# KiCad board panel.kicad_pcb (continued)
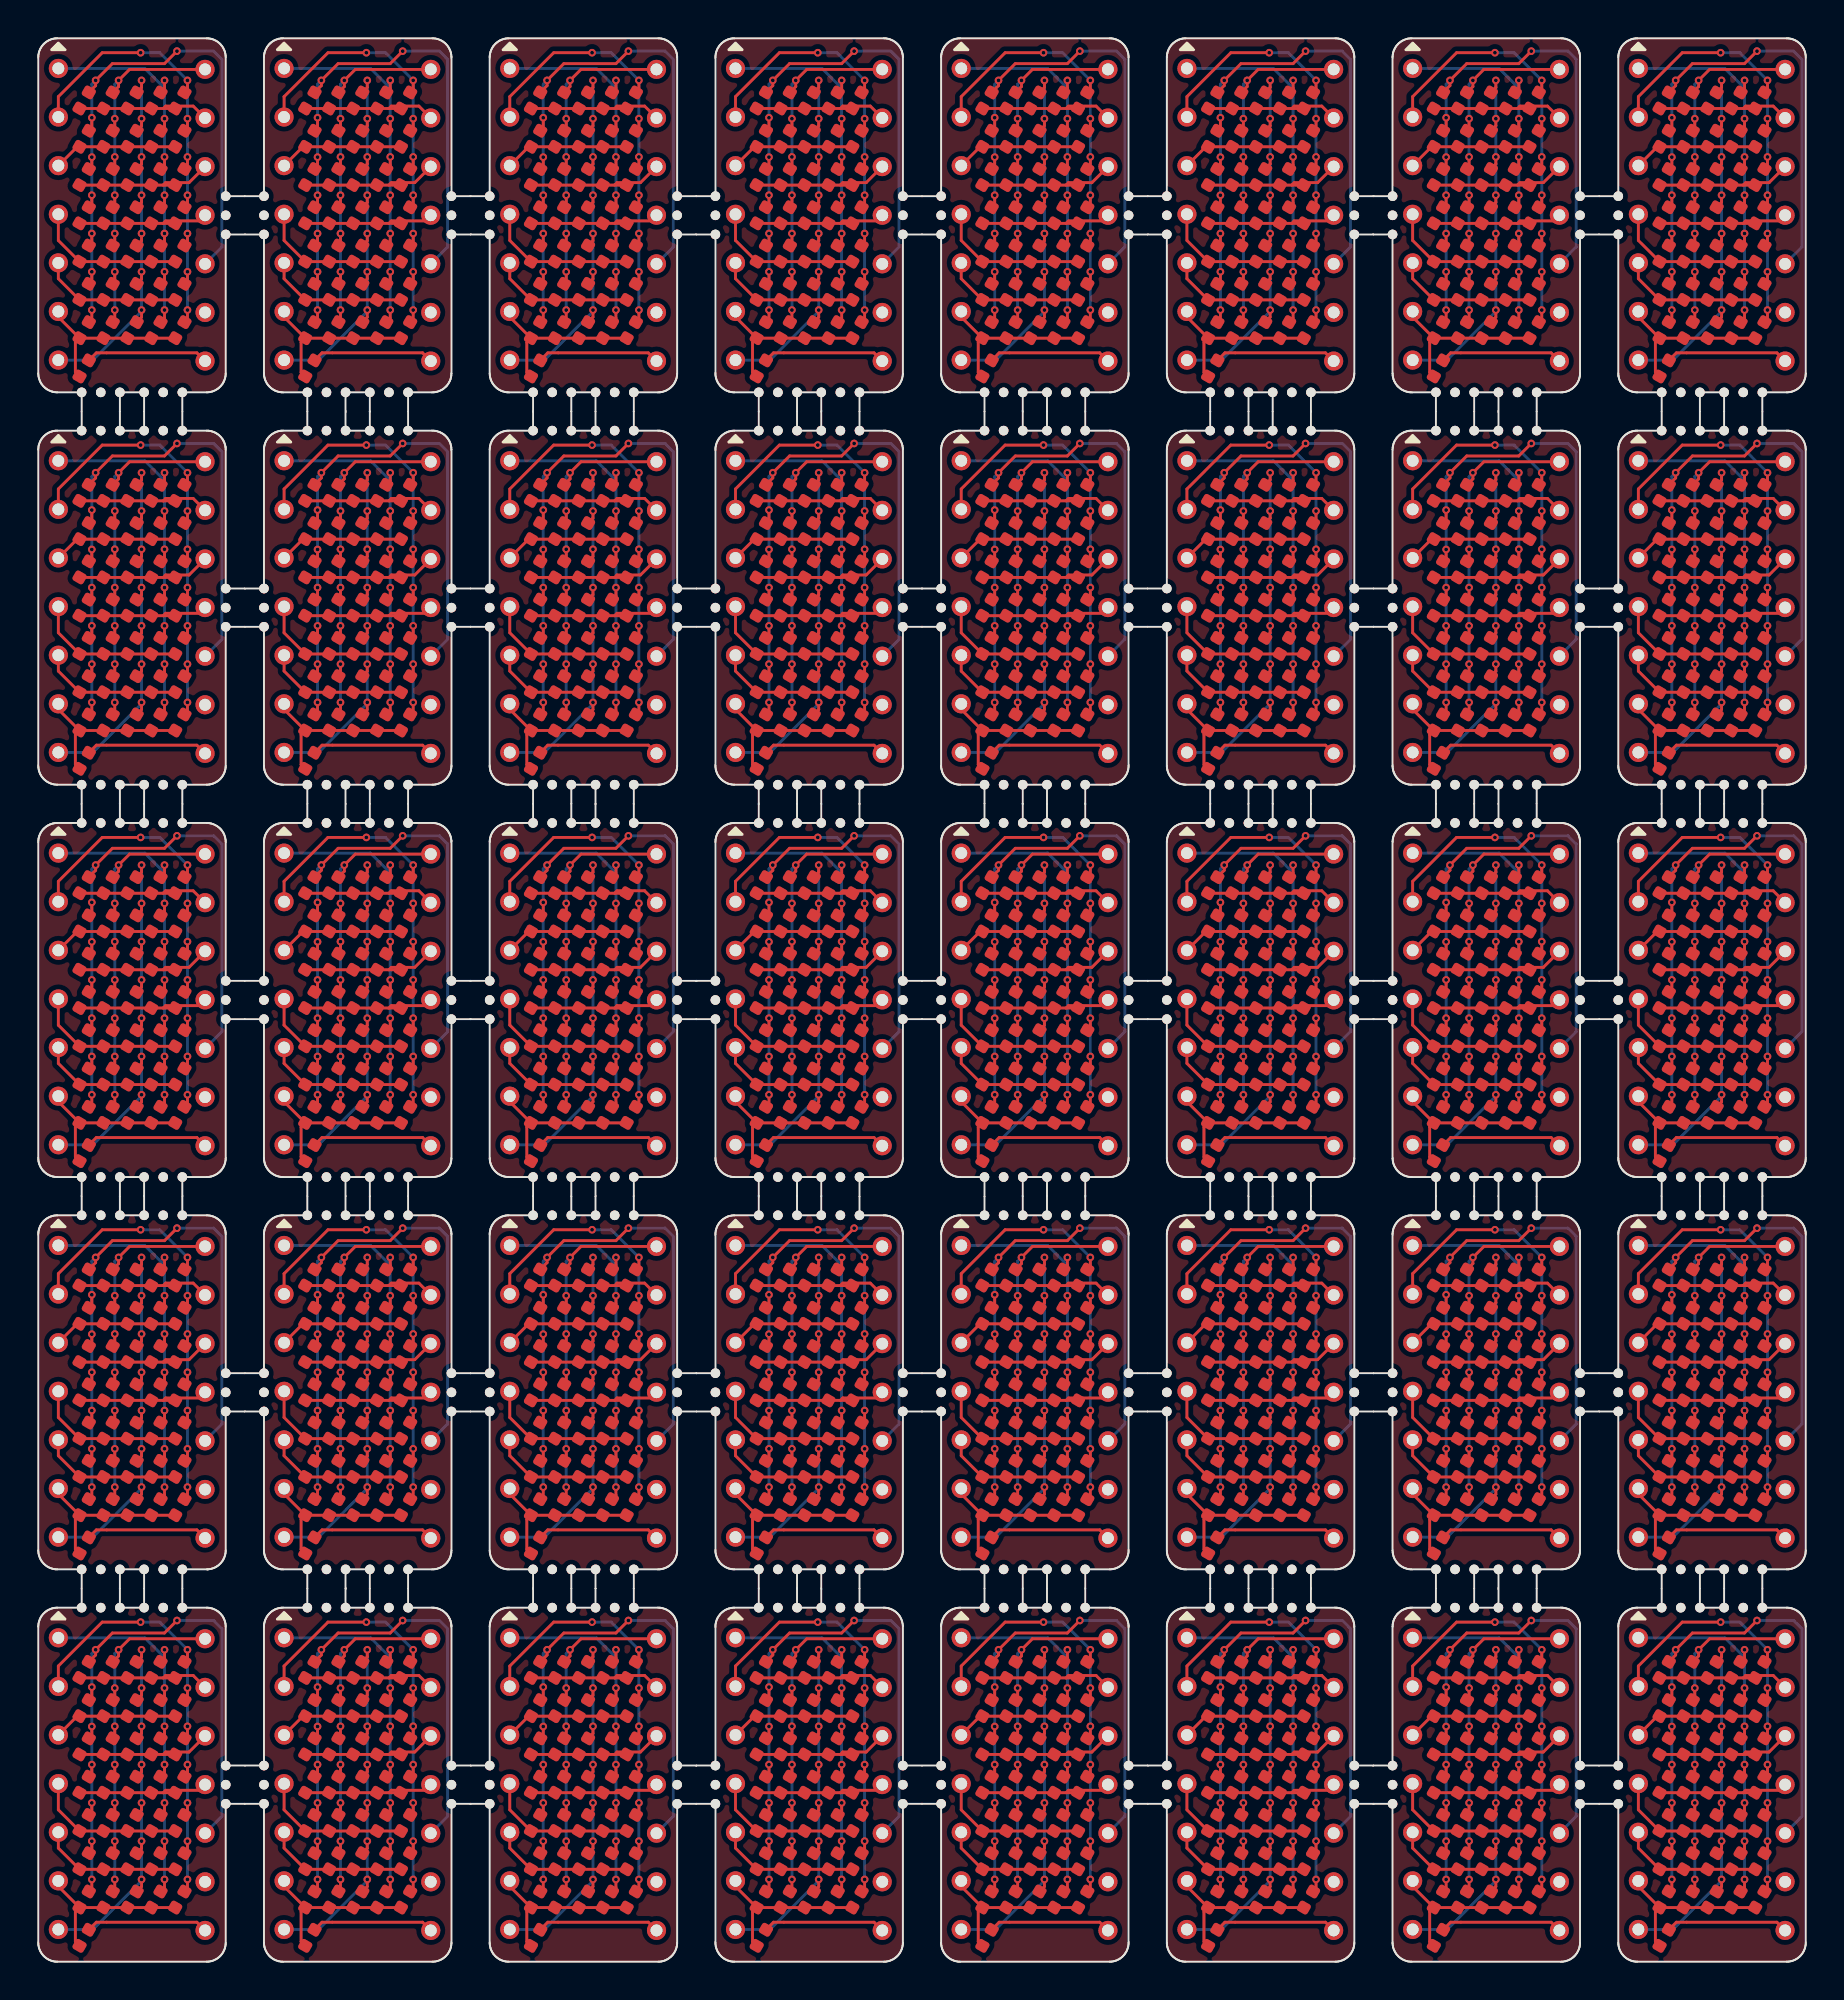
[diagram p0: board, top side]
## Routing (per net, layer and track width the routed paths; a pad name or vN(x,y) marks a point on that pad's centre or on a via; arc(x,y) is an arc through that point) (continued)
Board_8-R6: length 7.4
  Top w0.15: D35#30.1 D28#22.1 D21#2.1 D14#13.1 D6#14.1 1.05,67.44 J1#27.5
Board_8-R7: length 9
  Top w0.15: D8#31.1 1.94,62.55 1.94,64.11 D7#32.1 ; D36#23.1 D29#27.1 D22#12.1 D15#32.1 D7#32.1 ; D7#32.1 1.05,65.44 J1#27.6
Board_9-C1: length 35.5
  Top w0.15: D2#17.2 14.6,75.33 v1(14.6,75.85) ; v1(14.6,73.79) 14.6,73.33 D3#40.2 ; v1(14.6,67.8) 14.6,67.33 D6#6.2 ; D4#24.2 14.6,71.33 v1(14.6,71.8) ; v1(14.6,65.8) 14.6,65.33 D7#21.2 ; D5#2.2 14.6,69.33 v1(14.6,69.8) ; v1(19.05,79.33) 18.4,78.68 15.68,78.68 v1(14.8,77.8) 14.8,77.53 D1#32.2
  Bottom w0.15: J2#32.5 21.4,69.09 21.4,78.9 20.97,79.33 v1(19.05,79.33) ; v1(14.6,65.8) v1(14.6,67.8) v1(14.6,69.8) v1(14.6,71.8) v1(14.6,73.79) v1(14.6,75.85) 14.6,77.6 v1(14.8,77.8)
Board_9-C2: length 21.6
  Top w0.15: v1(15.8,69.8) 15.8,69.28 D13#17.2 ; v1(15.8,73.8) 15.8,73.28 D11#14.2 ; D9#33.2 16,77.48 v1(16,77.8) 16.57,78.37 20.52,78.37 J2#32.1 ; D10#7.2 15.8,75.28 v1(15.8,75.8) ; v1(15.8,71.8) 15.8,71.28 D12#22.2 ; D15#5.2 15.8,65.28 v1(15.8,65.8) ; v1(15.8,67.8) 15.8,67.28 D14#33.2
  Bottom w0.15: v1(16,77.8) 15.8,77.6 v1(15.8,75.8) v1(15.8,73.8) v1(15.8,71.8) v1(15.8,69.8) v1(15.8,67.8) v1(15.8,65.8)
Board_9-C3: length 22.6
  Top w0.15: D19#30.2 17.2,71.43 v1(17.2,71.8) ; D21#15.2 17.2,67.43 v1(17.2,67.8) ; v1(17.2,77.8) 17.2,77.43 D16#12.2 ; D17#19.2 17.2,75.43 v1(17.2,75.8) ; v1(17.2,73.8) 17.2,73.43 D18#4.2 ; D20#16.2 17.2,69.43 v1(17.2,69.8) ; D22#20.2 17.2,65.43 v1(17.2,65.8)
  Bottom w0.15: J1#5.7 14.65,63.19 17.2,65.73 v1(17.2,65.8) v1(17.2,67.8) v1(17.2,69.8) v1(17.2,71.8) v1(17.2,73.8) v1(17.2,75.8) v1(17.2,77.8)
Board_9-C4: length 23
  Top w0.15: v1(18.4,69.8) 18.4,69.38 D27#2.2 ; D24#17.2 18.4,75.38 v1(18.4,75.8) ; D29#12.2 18.4,65.38 v1(18.4,65.8) ; v1(18.4,77.8) 18.4,77.38 D23#7.2 ; v1(18.4,73.8) 18.4,73.38 D25#23.2 ; D26#4.2 18.4,71.38 v1(18.4,71.8) ; v1(18.4,67.8) 18.4,67.38 D28#11.2
  Bottom w0.15: v1(18.4,77.8) 18.4,77.39 ; 18.4,77.39 v1(18.4,75.8) v1(18.4,73.8) v1(18.4,71.8) v1(18.4,69.8) v1(18.4,67.8) v1(18.4,65.8) ; 18.4,77.39 17.37,78.42 J1#5.1
Board_9-C5: length 26.2
  Top w0.15: D31#5.2 19.6,75.33 v1(19.6,75.8) ; D34.2 19.6,69.33 v1(19.6,69.8) ; v1(19.6,71.8) 19.6,71.33 D33#31.2 ; D35#26.2 19.6,67.33 v1(19.6,67.8) ; D36#20.2 19.6,65.33 v1(19.6,65.8) ; D32#36.2 19.6,73.33 v1(19.6,73.8) ; v1(19.6,77.8) 19.6,77.33 D30#40.2 ; J1#5.2 12.85,76.95 15.14,79.25 v1(17.15,79.25)
  Bottom w0.15: v1(17.15,79.25) 18.16,79.25 v1(19.6,77.8) v1(19.6,75.8) v1(19.6,73.8) v1(19.6,71.8) v1(19.6,69.8) v1(19.6,67.8) v1(19.6,65.8)
Board_9-DP: length 6.4
  Top w0.15: J2#32.7 20.09,63.56 14.84,63.56 D8#15.2
Board_9-R1: length 7.5
  Top w0.15: D30#40.1 18.33,76.33 ; 18.33,76.33 18.46,76.46 19.9,76.46 J2#32.2 ; 18.33,76.33 D23#7.1 D16#12.1 D9#33.1 D1#32.1
Board_9-R2: length 6.5
  Top w0.15: D31#5.1 D24#17.1 D17#19.1 D10#7.1 D2#17.1 13.84,74.33 J1#5.3
Board_9-R3: length 7.6
  Top w0.15: 18.33,72.33 18.46,72.46 19.68,72.46 J2#32.3 ; 18.33,72.33 D32#36.1 ; 18.33,72.33 D25#23.1 D18#4.1 D11#14.1 D3#40.1
Board_9-R4: length 7.4
  Top w0.15: 18.33,70.33 18.46,70.46 20.22,70.46 J2#32.4 ; 18.33,70.33 D26#4.1 D19#30.1 D12#22.1 D4#24.1 ; 18.33,70.33 D33#31.1
Board_9-R5: length 7.9
  Top w0.15: J1#5.4 12.85,69.44 D5#2.1 D13#17.1 D20#16.1 D27#2.1 D34.1
Board_9-R6: length 7.4
  Top w0.15: D35#26.1 D28#11.1 D21#15.1 D14#33.1 D6#6.1 12.85,67.44 J1#5.5
Board_9-R7: length 9
  Top w0.15: D7#21.1 13.74,64.11 13.74,62.55 D8#15.1 ; D7#21.1 12.85,65.44 J1#5.6 ; D7#21.1 D15#5.1 D22#20.1 D29#12.1 D36#20.1
Board_10-C1: length 35.5
  Top w0.15: v1(26.4,69.8) 26.4,69.33 D5#16.2 ; D7#18.2 26.4,65.33 v1(26.4,65.8) ; v1(26.4,75.85) 26.4,75.33 D2#40.2 ; v1(26.4,71.8) 26.4,71.33 D4#32.2 ; v1(26.4,67.8) 26.4,67.33 D6#13.2 ; D1#31.2 26.6,77.53 v1(26.6,77.8) 27.48,78.68 30.2,78.68 v1(30.85,79.33) ; D3#22.2 26.4,73.33 v1(26.4,73.79)
  Bottom w0.15: v1(26.6,77.8) 26.4,77.6 v1(26.4,75.85) v1(26.4,73.79) v1(26.4,71.8) v1(26.4,69.8) v1(26.4,67.8) v1(26.4,65.8) ; v1(30.85,79.33) 32.77,79.33 33.2,78.9 33.2,69.09 J2#22.5
Board_10-C2: length 21.6
  Top w0.15: D14#25.2 27.6,67.28 v1(27.6,67.8) ; D13#37.2 27.6,69.28 v1(27.6,69.8) ; v1(27.6,75.8) 27.6,75.28 D10#37.2 ; J2#22.1 32.32,78.37 28.37,78.37 v1(27.8,77.8) 27.8,77.48 D9#38.2 ; v1(27.6,71.8) 27.6,71.28 D12#6.2 ; D15#19.2 27.6,65.28 v1(27.6,65.8) ; D11#2.2 27.6,73.28 v1(27.6,73.8)
  Bottom w0.15: v1(27.6,65.8) v1(27.6,67.8) v1(27.6,69.8) v1(27.6,71.8) v1(27.6,73.8) v1(27.6,75.8) 27.6,77.6 v1(27.8,77.8)
Board_10-C3: length 22.6
  Top w0.15: D20#32.2 29,69.43 v1(29,69.8) ; D22#40.2 29,65.43 v1(29,65.8) ; v1(29,71.8) 29,71.43 D19#7.2 ; D21#6.2 29,67.43 v1(29,67.8) ; D16#39.2 29,77.43 v1(29,77.8) ; v1(29,75.8) 29,75.43 D17#25.2 ; D18#25.2 29,73.43 v1(29,73.8)
  Bottom w0.15: v1(29,77.8) v1(29,75.8) v1(29,73.8) v1(29,71.8) v1(29,69.8) v1(29,67.8) v1(29,65.8) 29,65.73 26.45,63.19 J1#2.7
Board_10-C4: length 23
  Top w0.15: D27#35.2 30.2,69.38 v1(30.2,69.8) ; v1(30.2,73.8) 30.2,73.38 D25#39.2 ; D26#39.2 30.2,71.38 v1(30.2,71.8) ; D24#12.2 30.2,75.38 v1(30.2,75.8) ; D28#13.2 30.2,67.38 v1(30.2,67.8) ; D23#12.2 30.2,77.38 v1(30.2,77.8) ; D29#17.2 30.2,65.38 v1(30.2,65.8)
  Bottom w0.15: v1(30.2,65.8) v1(30.2,67.8) v1(30.2,69.8) v1(30.2,71.8) v1(30.2,73.8) v1(30.2,75.8) 30.2,77.39 ; 30.2,77.39 29.17,78.42 J1#2.1 ; 30.2,77.39 v1(30.2,77.8)
Board_10-C5: length 26.2
  Top w0.15: v1(31.4,71.8) 31.4,71.33 D33#39.2 ; D30#31.2 31.4,77.33 v1(31.4,77.8) ; v1(28.95,79.25) 26.95,79.25 24.65,76.95 J1#2.2 ; D31#39.2 31.4,75.33 v1(31.4,75.8) ; D32#29.2 31.4,73.33 v1(31.4,73.8) ; v1(31.4,69.8) 31.4,69.33 D34#30.2 ; D36#34.2 31.4,65.33 v1(31.4,65.8) ; v1(31.4,67.8) 31.4,67.33 D35#31.2
  Bottom w0.15: v1(28.95,79.25) 29.95,79.25 v1(31.4,77.8) v1(31.4,75.8) v1(31.4,73.8) v1(31.4,71.8) v1(31.4,69.8) v1(31.4,67.8) v1(31.4,65.8)
Board_10-DP: length 6.4
  Top w0.15: D8#22.2 26.64,63.56 31.89,63.56 J2#22.7
Board_10-R1: length 7.5
  Top w0.15: D1#31.1 D9#38.1 D16#39.1 D23#12.1 30.13,76.33 ; D30#31.1 30.13,76.33 ; 30.13,76.33 30.26,76.46 31.7,76.46 J2#22.2
Board_10-R2: length 6.5
  Top w0.15: D31#39.1 D24#12.1 D17#25.1 D10#37.1 D2#40.1 25.64,74.33 J1#2.3
Board_10-R3: length 7.6
  Top w0.15: 30.13,72.33 30.26,72.46 31.48,72.46 J2#22.3 ; 30.13,72.33 D25#39.1 D18#25.1 D11#2.1 D3#22.1 ; 30.13,72.33 D32#29.1
Board_10-R4: length 7.4
  Top w0.15: 30.13,70.33 D33#39.1 ; 30.13,70.33 D26#39.1 D19#7.1 D12#6.1 D4#32.1 ; 30.13,70.33 30.26,70.46 32.02,70.46 J2#22.4
Board_10-R5: length 7.9
  Top w0.15: J1#2.4 24.65,69.44 D5#16.1 D13#37.1 D20#32.1 D27#35.1 D34#30.1
Board_10-R6: length 7.4
  Top w0.15: J1#2.5 24.65,67.44 D6#13.1 D14#25.1 D21#6.1 D28#13.1 D35#31.1
Board_10-R7: length 9
  Top w0.15: D7#18.1 24.65,65.44 J1#2.6 ; D7#18.1 25.54,64.11 25.54,62.55 D8#22.1 ; D7#18.1 D15#19.1 D22#40.1 D29#17.1 D36#34.1
Board_11-C1: length 35.5
  Top w0.15: D4#22.2 38.2,71.33 v1(38.2,71.8) ; D6#28.2 38.2,67.33 v1(38.2,67.8) ; D3#19.2 38.2,73.33 v1(38.2,73.79) ; v1(38.2,75.85) 38.2,75.33 D2#6.2 ; D1#40.2 38.4,77.53 v1(38.4,77.8) 39.28,78.68 42,78.68 v1(42.65,79.33) ; D7#31.2 38.2,65.33 v1(38.2,65.8) ; D5#34.2 38.2,69.33 v1(38.2,69.8)
  Bottom w0.15: v1(38.2,65.8) v1(38.2,67.8) v1(38.2,69.8) v1(38.2,71.8) v1(38.2,73.79) v1(38.2,75.85) 38.2,77.6 v1(38.4,77.8) ; J2#26.5 45,69.09 45,78.9 44.57,79.33 v1(42.65,79.33)
Board_11-C2: length 21.6
  Top w0.15: v1(39.4,71.8) 39.4,71.28 D12#2.2 ; v1(39.4,69.8) 39.4,69.28 D13#36.2 ; D11#23.2 39.4,73.28 v1(39.4,73.8) ; J2#26.1 44.12,78.37 40.17,78.37 v1(39.6,77.8) 39.6,77.48 D9#6.2 ; v1(39.4,75.8) 39.4,75.28 D10#23.2 ; v1(39.4,67.8) 39.4,67.28 D14#16.2 ; v1(39.4,65.8) 39.4,65.28 D15#35.2
  Bottom w0.15: v1(39.4,65.8) v1(39.4,67.8) v1(39.4,69.8) v1(39.4,71.8) v1(39.4,73.8) v1(39.4,75.8) 39.4,77.6 v1(39.6,77.8)
Board_11-C3: length 22.6
  Top w0.15: D18#16.2 40.8,73.43 v1(40.8,73.8) ; D20#30.2 40.8,69.43 v1(40.8,69.8) ; D16#14.2 40.8,77.43 v1(40.8,77.8) ; D22#39.2 40.8,65.43 v1(40.8,65.8) ; D19#16.2 40.8,71.43 v1(40.8,71.8) ; v1(40.8,75.8) 40.8,75.43 D17#31.2 ; v1(40.8,67.8) 40.8,67.43 D21#40.2
  Bottom w0.15: v1(40.8,77.8) v1(40.8,75.8) v1(40.8,73.8) v1(40.8,71.8) v1(40.8,69.8) v1(40.8,67.8) v1(40.8,65.8) 40.8,65.73 38.25,63.19 J1#24.7
Board_11-C4: length 23
  Top w0.15: D29#24.2 42,65.38 v1(42,65.8) ; v1(42,69.8) 42,69.38 D27#8.2 ; v1(42,77.8) 42,77.38 D23#34.2 ; v1(42,73.8) 42,73.38 D25#13.2 ; v1(42,67.8) 42,67.38 D28#6.2 ; v1(42,71.8) 42,71.38 D26#5.2 ; D24#38.2 42,75.38 v1(42,75.8)
  Bottom w0.15: 42,77.39 v1(42,75.8) v1(42,73.8) v1(42,71.8) v1(42,69.8) v1(42,67.8) v1(42,65.8) ; 42,77.39 v1(42,77.8) ; 42,77.39 40.97,78.42 J1#24.1
Board_11-C5: length 26.2
  Top w0.15: v1(43.2,71.8) 43.2,71.33 D33#18.2 ; D30#22.2 43.2,77.33 v1(43.2,77.8) ; v1(43.2,65.8) 43.2,65.33 D36#10.2 ; v1(43.2,69.8) 43.2,69.33 D34#21.2 ; v1(40.75,79.25) 38.74,79.25 36.45,76.95 J1#24.2 ; D31#17.2 43.2,75.33 v1(43.2,75.8) ; v1(43.2,73.8) 43.2,73.33 D32#16.2 ; v1(43.2,67.8) 43.2,67.33 D35#36.2
  Bottom w0.15: v1(40.75,79.25) 41.76,79.25 v1(43.2,77.8) v1(43.2,75.8) v1(43.2,73.8) v1(43.2,71.8) v1(43.2,69.8) v1(43.2,67.8) v1(43.2,65.8)
Board_11-DP: length 6.4
  Top w0.15: D8#30.2 38.44,63.56 43.69,63.56 J2#26.7
Board_11-R1: length 7.5
  Top w0.15: D1#40.1 D9#6.1 D16#14.1 D23#34.1 41.93,76.33 ; 41.93,76.33 D30#22.1 ; 41.93,76.33 42.06,76.46 43.5,76.46 J2#26.2
Board_11-R2: length 6.5
  Top w0.15: D31#17.1 D24#38.1 D17#31.1 D10#23.1 D2#6.1 37.44,74.33 J1#24.3
Board_11-R3: length 7.6
  Top w0.15: 41.93,72.33 D25#13.1 D18#16.1 D11#23.1 D3#19.1 ; 41.93,72.33 D32#16.1 ; 41.93,72.33 42.06,72.46 43.28,72.46 J2#26.3
Board_11-R4: length 7.4
  Top w0.15: 41.93,70.33 D33#18.1 ; 41.93,70.33 42.06,70.46 43.82,70.46 J2#26.4 ; 41.93,70.33 D26#5.1 D19#16.1 D12#2.1 D4#22.1
Board_11-R5: length 7.9
  Top w0.15: J1#24.4 36.45,69.44 D5#34.1 D13#36.1 D20#30.1 D27#8.1 D34#21.1
Board_11-R6: length 7.4
  Top w0.15: D35#36.1 D28#6.1 D21#40.1 D14#16.1 D6#28.1 36.45,67.44 J1#24.5
Board_11-R7: length 9
  Top w0.15: D7#31.1 36.45,65.44 J1#24.6 ; D7#31.1 37.34,64.11 37.34,62.55 D8#30.1 ; D7#31.1 D15#35.1 D22#39.1 D29#24.1 D36#10.1
Board_12-C1: length 35.5
  Top w0.15: D4#39.2 50,71.33 v1(50,71.8) ; v1(50,73.79) 50,73.33 D3#25.2 ; D6#36.2 50,67.33 v1(50,67.8) ; v1(50,65.8) 50,65.33 D7#22.2 ; v1(54.45,79.33) 53.8,78.68 51.08,78.68 v1(50.2,77.8) 50.2,77.53 D1.2 ; v1(50,75.85) 50,75.33 D2#29.2 ; v1(50,69.8) 50,69.33 D5.2
  Bottom w0.15: v1(50,65.8) v1(50,67.8) v1(50,69.8) v1(50,71.8) v1(50,73.79) v1(50,75.85) 50,77.6 v1(50.2,77.8) ; J2#34.5 56.8,69.09 56.8,78.9 56.37,79.33 v1(54.45,79.33)
Board_12-C2: length 21.6
  Top w0.15: v1(51.2,75.8) 51.2,75.28 D10#18.2 ; D12#37.2 51.2,71.28 v1(51.2,71.8) ; J2#34.1 55.92,78.37 51.97,78.37 v1(51.4,77.8) 51.4,77.48 D9#8.2 ; v1(51.2,65.8) 51.2,65.28 D15#36.2 ; v1(51.2,67.8) 51.2,67.28 D14#36.2 ; v1(51.2,73.8) 51.2,73.28 D11#6.2 ; v1(51.2,69.8) 51.2,69.28 D13#39.2
  Bottom w0.15: v1(51.2,65.8) v1(51.2,67.8) v1(51.2,69.8) v1(51.2,71.8) v1(51.2,73.8) v1(51.2,75.8) 51.2,77.6 v1(51.4,77.8)
Board_12-C3: length 22.6
  Top w0.15: D21#38.2 52.6,67.43 v1(52.6,67.8) ; D20#38.2 52.6,69.43 v1(52.6,69.8) ; v1(52.6,75.8) 52.6,75.43 D17#29.2 ; v1(52.6,77.8) 52.6,77.43 D16#11.2 ; D19#8.2 52.6,71.43 v1(52.6,71.8) ; v1(52.6,73.8) 52.6,73.43 D18.2 ; D22#5.2 52.6,65.43 v1(52.6,65.8)
  Bottom w0.15: v1(52.6,77.8) v1(52.6,75.8) v1(52.6,73.8) v1(52.6,71.8) v1(52.6,69.8) v1(52.6,67.8) v1(52.6,65.8) 52.6,65.73 50.05,63.19 J1#38.7
Board_12-C4: length 23
  Top w0.15: v1(53.8,67.8) 53.8,67.38 D28#24.2 ; v1(53.8,65.8) 53.8,65.38 D29#31.2 ; D27#32.2 53.8,69.38 v1(53.8,69.8) ; D23#10.2 53.8,77.38 v1(53.8,77.8) ; v1(53.8,73.8) 53.8,73.38 D25#32.2 ; v1(53.8,75.8) 53.8,75.38 D24#11.2 ; v1(53.8,71.8) 53.8,71.38 D26#36.2
  Bottom w0.15: 53.8,77.39 52.77,78.42 J1#38.1 ; 53.8,77.39 v1(53.8,75.8) v1(53.8,73.8) v1(53.8,71.8) v1(53.8,69.8) v1(53.8,67.8) v1(53.8,65.8) ; 53.8,77.39 v1(53.8,77.8)
Board_12-C5: length 26.2
  Top w0.15: D33#11.2 55,71.33 v1(55,71.8) ; v1(55,65.8) 55,65.33 D36#9.2 ; D31#3.2 55,75.33 v1(55,75.8) ; v1(55,67.8) 55,67.33 D35#5.2 ; v1(55,77.8) 55,77.33 D30#5.2 ; v1(55,69.8) 55,69.33 D34#27.2 ; J1#38.2 48.25,76.95 50.55,79.25 v1(52.55,79.25) ; v1(55,73.8) 55,73.33 D32#19.2
  Bottom w0.15: v1(55,65.8) v1(55,67.8) v1(55,69.8) v1(55,71.8) v1(55,73.8) v1(55,75.8) v1(55,77.8) 53.55,79.25 v1(52.55,79.25)
Board_12-DP: length 6.4
  Top w0.15: D8#6.2 50.24,63.56 55.49,63.56 J2#34.7
Board_12-R1: length 7.5
  Top w0.15: J2#34.2 55.3,76.46 53.86,76.46 53.73,76.33 ; D30#5.1 53.73,76.33 ; 53.73,76.33 D23#10.1 D16#11.1 D9#8.1 D1.1
Board_12-R2: length 6.5
  Top w0.15: J1#38.3 49.23,74.33 D2#29.1 D10#18.1 D17#29.1 D24#11.1 D31#3.1
Board_12-R3: length 7.6
  Top w0.15: 53.73,72.33 D25#32.1 D18.1 D11#6.1 D3#25.1 ; 53.73,72.33 53.86,72.46 55.08,72.46 J2#34.3 ; 53.73,72.33 D32#19.1
Board_12-R4: length 7.4
  Top w0.15: 53.73,70.33 53.86,70.46 55.62,70.46 J2#34.4 ; 53.73,70.33 D26#36.1 D19#8.1 D12#37.1 D4#39.1 ; 53.73,70.33 D33#11.1
Board_12-R5: length 7.9
  Top w0.15: D34#27.1 D27#32.1 D20#38.1 D13#39.1 D5.1 48.25,69.44 J1#38.4
Board_12-R6: length 7.4
  Top w0.15: J1#38.5 48.25,67.44 D6#36.1 D14#36.1 D21#38.1 D28#24.1 D35#5.1
Board_12-R7: length 9
  Top w0.15: D7#22.1 49.14,64.11 49.14,62.55 D8#6.1 ; D7#22.1 D15#36.1 D22#5.1 D29#31.1 D36#9.1 ; D7#22.1 48.25,65.44 J1#38.6
Board_13-C1: length 35.5
  Top w0.15: D3#12.2 61.8,73.33 v1(61.8,73.79) ; v1(61.8,71.8) 61.8,71.33 D4#38.2 ; v1(61.8,67.8) 61.8,67.33 D6#17.2 ; v1(61.8,69.8) 61.8,69.33 D5#33.2 ; D2#34.2 61.8,75.33 v1(61.8,75.85) ; D1#9.2 62,77.53 v1(62,77.8) 62.88,78.68 65.6,78.68 v1(66.25,79.33) ; D7#11.2 61.8,65.33 v1(61.8,65.8)
  Bottom w0.15: v1(62,77.8) 61.8,77.6 v1(61.8,75.85) v1(61.8,73.79) v1(61.8,71.8) v1(61.8,69.8) v1(61.8,67.8) v1(61.8,65.8) ; v1(66.25,79.33) 68.17,79.33 68.6,78.9 68.6,69.09 J2#4.5
Board_13-C2: length 21.6
  Top w0.15: D13#2.2 63,69.28 v1(63,69.8) ; D15#33.2 63,65.28 v1(63,65.8) ; D11#25.2 63,73.28 v1(63,73.8) ; D14#24.2 63,67.28 v1(63,67.8) ; D9#40.2 63.2,77.48 v1(63.2,77.8) 63.77,78.37 67.72,78.37 J2#4.1 ; v1(63,71.8) 63,71.28 D12#10.2 ; v1(63,75.8) 63,75.28 D10#40.2
  Bottom w0.15: v1(63,65.8) v1(63,67.8) v1(63,69.8) v1(63,71.8) v1(63,73.8) v1(63,75.8) 63,77.6 v1(63.2,77.8)
Board_13-C3: length 22.6
  Top w0.15: v1(64.4,77.8) 64.4,77.43 D16#6.2 ; D18#2.2 64.4,73.43 v1(64.4,73.8) ; D21#23.2 64.4,67.43 v1(64.4,67.8) ; D17#39.2 64.4,75.43 v1(64.4,75.8) ; D20#2.2 64.4,69.43 v1(64.4,69.8) ; D22#29.2 64.4,65.43 v1(64.4,65.8) ; D19#28.2 64.4,71.43 v1(64.4,71.8)
  Bottom w0.15: J1#39.7 61.85,63.19 64.4,65.73 v1(64.4,65.8) v1(64.4,67.8) v1(64.4,69.8) v1(64.4,71.8) v1(64.4,73.8) v1(64.4,75.8) v1(64.4,77.8)
Board_13-C4: length 23
  Top w0.15: v1(65.6,73.8) 65.6,73.38 D25#29.2 ; v1(65.6,65.8) 65.6,65.38 D29#29.2 ; D23#33.2 65.6,77.38 v1(65.6,77.8) ; D24#27.2 65.6,75.38 v1(65.6,75.8) ; v1(65.6,67.8) 65.6,67.38 D28#29.2 ; D27#38.2 65.6,69.38 v1(65.6,69.8) ; D26#25.2 65.6,71.38 v1(65.6,71.8)
  Bottom w0.15: 65.6,77.39 64.57,78.42 J1#39.1 ; 65.6,77.39 v1(65.6,77.8) ; 65.6,77.39 v1(65.6,75.8) v1(65.6,73.8) v1(65.6,71.8) v1(65.6,69.8) v1(65.6,67.8) v1(65.6,65.8)
Board_13-C5: length 26.2
  Top w0.15: D33#4.2 66.8,71.33 v1(66.8,71.8) ; v1(66.8,75.8) 66.8,75.33 D31#15.2 ; D35#33.2 66.8,67.33 v1(66.8,67.8) ; D30#9.2 66.8,77.33 v1(66.8,77.8) ; D34#35.2 66.8,69.33 v1(66.8,69.8) ; v1(66.8,73.8) 66.8,73.33 D32#11.2 ; J1#39.2 60.05,76.95 62.35,79.25 v1(64.35,79.25) ; v1(66.8,65.8) 66.8,65.33 D36#11.2
  Bottom w0.15: v1(64.35,79.25) 65.36,79.25 v1(66.8,77.8) v1(66.8,75.8) v1(66.8,73.8) v1(66.8,71.8) v1(66.8,69.8) v1(66.8,67.8) v1(66.8,65.8)
Board_13-DP: length 6.4
  Top w0.15: D8#20.2 62.04,63.56 67.29,63.56 J2#4.7
Board_13-R1: length 7.5
  Top w0.15: D1#9.1 D9#40.1 D16#6.1 D23#33.1 65.53,76.33 ; D30#9.1 65.53,76.33 ; 65.53,76.33 65.66,76.46 67.1,76.46 J2#4.2
Board_13-R2: length 6.5
  Top w0.15: D31#15.1 D24#27.1 D17#39.1 D10#40.1 D2#34.1 61.04,74.33 J1#39.3
Board_13-R3: length 7.6
  Top w0.15: J2#4.3 66.88,72.46 65.66,72.46 65.53,72.33 ; D3#12.1 D11#25.1 D18#2.1 D25#29.1 65.53,72.33 ; 65.53,72.33 D32#11.1
Board_13-R4: length 7.4
  Top w0.15: 65.53,70.33 D33#4.1 ; 65.53,70.33 D26#25.1 D19#28.1 D12#10.1 D4#38.1 ; 65.53,70.33 65.66,70.46 67.42,70.46 J2#4.4
Board_13-R5: length 7.9
  Top w0.15: D34#35.1 D27#38.1 D20#2.1 D13#2.1 D5#33.1 60.05,69.44 J1#39.4
Board_13-R6: length 7.4
  Top w0.15: J1#39.5 60.05,67.44 D6#17.1 D14#24.1 D21#23.1 D28#29.1 D35#33.1
Board_13-R7: length 9
  Top w0.15: D7#11.1 60.05,65.44 J1#39.6 ; D7#11.1 D15#33.1 D22#29.1 D29#29.1 D36#11.1 ; D7#11.1 60.94,64.11 60.94,62.55 D8#20.1
Board_14-C1: length 35.5
  Top w0.15: v1(73.6,71.8) 73.6,71.33 D4#17.2 ; D7#38.2 73.6,65.33 v1(73.6,65.8) ; D2#30.2 73.6,75.33 v1(73.6,75.85) ; v1(73.6,69.8) 73.6,69.33 D5#23.2 ; D1#36.2 73.8,77.53 v1(73.8,77.8) 74.68,78.68 77.4,78.68 v1(78.05,79.33) ; v1(73.6,67.8) 73.6,67.33 D6#25.2 ; D3#27.2 73.6,73.33 v1(73.6,73.79)
  Bottom w0.15: v1(78.05,79.33) 79.97,79.33 80.4,78.9 80.4,69.09 J2#15.5 ; v1(73.6,65.8) v1(73.6,67.8) v1(73.6,69.8) v1(73.6,71.8) v1(73.6,73.79) v1(73.6,75.85) 73.6,77.6 v1(73.8,77.8)
Board_14-C2: length 21.6
  Top w0.15: D12#32.2 74.8,71.28 v1(74.8,71.8) ; v1(74.8,75.8) 74.8,75.28 D10#10.2 ; D9#22.2 75,77.48 v1(75,77.8) 75.57,78.37 79.52,78.37 J2#15.1 ; D11#9.2 74.8,73.28 v1(74.8,73.8) ; D14#3.2 74.8,67.28 v1(74.8,67.8) ; v1(74.8,69.8) 74.8,69.28 D13#18.2 ; D15#16.2 74.8,65.28 v1(74.8,65.8)
  Bottom w0.15: v1(75,77.8) 74.8,77.6 v1(74.8,75.8) v1(74.8,73.8) v1(74.8,71.8) v1(74.8,69.8) v1(74.8,67.8) v1(74.8,65.8)
Board_14-C3: length 22.6
  Top w0.15: D19#20.2 76.2,71.43 v1(76.2,71.8) ; D21#22.2 76.2,67.43 v1(76.2,67.8) ; D22#27.2 76.2,65.43 v1(76.2,65.8) ; v1(76.2,77.8) 76.2,77.43 D16#35.2 ; D18#22.2 76.2,73.43 v1(76.2,73.8) ; D17#4.2 76.2,75.43 v1(76.2,75.8) ; v1(76.2,69.8) 76.2,69.43 D20#13.2
  Bottom w0.15: J1#7.7 73.65,63.19 76.2,65.73 v1(76.2,65.8) v1(76.2,67.8) v1(76.2,69.8) v1(76.2,71.8) v1(76.2,73.8) v1(76.2,75.8) v1(76.2,77.8)
Board_14-C4: length 23
  Top w0.15: D23#14.2 77.4,77.38 v1(77.4,77.8) ; v1(77.4,69.8) 77.4,69.38 D27#40.2 ; D28#34.2 77.4,67.38 v1(77.4,67.8) ; D29#16.2 77.4,65.38 v1(77.4,65.8) ; v1(77.4,71.8) 77.4,71.38 D26#34.2 ; D25#6.2 77.4,73.38 v1(77.4,73.8) ; D24#19.2 77.4,75.38 v1(77.4,75.8)
  Bottom w0.15: 77.4,77.39 76.37,78.42 J1#7.1 ; 77.4,77.39 v1(77.4,75.8) v1(77.4,73.8) v1(77.4,71.8) v1(77.4,69.8) v1(77.4,67.8) v1(77.4,65.8) ; 77.4,77.39 v1(77.4,77.8)
Board_14-C5: length 26.2
  Top w0.15: v1(76.15,79.25) 74.14,79.25 71.85,76.95 J1#7.2 ; D31#13.2 78.6,75.33 v1(78.6,75.8) ; v1(78.6,73.8) 78.6,73.33 D32.2 ; v1(78.6,71.8) 78.6,71.33 D33#28.2 ; D34#20.2 78.6,69.33 v1(78.6,69.8) ; D36#30.2 78.6,65.33 v1(78.6,65.8) ; v1(78.6,77.8) 78.6,77.33 D30#17.2 ; D35#8.2 78.6,67.33 v1(78.6,67.8)
  Bottom w0.15: v1(78.6,65.8) v1(78.6,67.8) v1(78.6,69.8) v1(78.6,71.8) v1(78.6,73.8) v1(78.6,75.8) v1(78.6,77.8) 77.16,79.25 v1(76.15,79.25)
Board_14-DP: length 6.4
  Top w0.15: D8#19.2 73.84,63.56 79.09,63.56 J2#15.7
Board_14-R1: length 7.5
  Top w0.15: D30#17.1 77.33,76.33 ; 77.33,76.33 D23#14.1 D16#35.1 D9#22.1 D1#36.1 ; 77.33,76.33 77.46,76.46 78.9,76.46 J2#15.2
Board_14-R2: length 6.5
  Top w0.15: J1#7.3 72.83,74.33 D2#30.1 D10#10.1 D17#4.1 D24#19.1 D31#13.1
Board_14-R3: length 7.6
  Top w0.15: J2#15.3 78.68,72.46 77.46,72.46 77.33,72.33 ; D32.1 77.33,72.33 ; 77.33,72.33 D25#6.1 D18#22.1 D11#9.1 D3#27.1
Board_14-R4: length 7.4
  Top w0.15: 77.33,70.33 D33#28.1 ; 77.33,70.33 D26#34.1 D19#20.1 D12#32.1 D4#17.1 ; 77.33,70.33 77.46,70.46 79.22,70.46 J2#15.4
Board_14-R5: length 7.9
  Top w0.15: D34#20.1 D27#40.1 D20#13.1 D13#18.1 D5#23.1 71.85,69.44 J1#7.4
Board_14-R6: length 7.4
  Top w0.15: D35#8.1 D28#34.1 D21#22.1 D14#3.1 D6#25.1 71.85,67.44 J1#7.5
Board_14-R7: length 9
  Top w0.15: J1#7.6 71.85,65.44 D7#38.1 ; D7#38.1 D15#16.1 D22#27.1 D29#16.1 D36#30.1 ; D7#38.1 72.74,64.11 72.74,62.55 D8#19.1
Board_15-C1: length 35.5
  Top w0.15: D5#25.2 85.4,69.33 v1(85.4,69.8) ; D2#21.2 85.4,75.33 v1(85.4,75.85) ; v1(85.4,67.8) 85.4,67.33 D6#32.2 ; D7#10.2 85.4,65.33 v1(85.4,65.8) ; v1(85.4,71.8) 85.4,71.33 D4#14.2 ; D3#16.2 85.4,73.33 v1(85.4,73.79) ; v1(89.85,79.33) 89.2,78.68 86.48,78.68 v1(85.6,77.8) 85.6,77.53 D1#29.2
  Bottom w0.15: v1(85.4,65.8) v1(85.4,67.8) v1(85.4,69.8) v1(85.4,71.8) v1(85.4,73.79) v1(85.4,75.85) 85.4,77.6 v1(85.6,77.8) ; v1(89.85,79.33) 91.77,79.33 92.2,78.9 92.2,69.09 J2#7.5
Board_15-C2: length 21.6
  Top w0.15: v1(86.6,73.8) 86.6,73.28 D11#3.2 ; D9#13.2 86.8,77.48 v1(86.8,77.8) 87.37,78.37 91.32,78.37 J2#7.1 ; D13#23.2 86.6,69.28 v1(86.6,69.8) ; v1(86.6,67.8) 86.6,67.28 D14#11.2 ; v1(86.6,71.8) 86.6,71.28 D12#3.2 ; v1(86.6,65.8) 86.6,65.28 D15#40.2 ; v1(86.6,75.8) 86.6,75.28 D10#21.2
  Bottom w0.15: v1(86.6,65.8) v1(86.6,67.8) v1(86.6,69.8) v1(86.6,71.8) v1(86.6,73.8) v1(86.6,75.8) 86.6,77.6 v1(86.8,77.8)
Board_15-C3: length 22.6
  Top w0.15: v1(88,75.8) 88,75.43 D17#10.2 ; D19#38.2 88,71.43 v1(88,71.8) ; v1(88,69.8) 88,69.43 D20#3.2 ; v1(88,67.8) 88,67.43 D21.2 ; v1(88,77.8) 88,77.43 D16#7.2 ; D22#6.2 88,65.43 v1(88,65.8) ; D18#29.2 88,73.43 v1(88,73.8)
  Bottom w0.15: v1(88,77.8) v1(88,75.8) v1(88,73.8) v1(88,71.8) v1(88,69.8) v1(88,67.8) v1(88,65.8) 88,65.73 85.45,63.19 J1#11.7
Board_15-C4: length 23
  Top w0.15: v1(89.2,67.8) 89.2,67.38 D28#8.2 ; v1(89.2,69.8) 89.2,69.38 D27#30.2 ; D23#32.2 89.2,77.38 v1(89.2,77.8) ; D25#20.2 89.2,73.38 v1(89.2,73.8) ; v1(89.2,71.8) 89.2,71.38 D26#2.2 ; v1(89.2,75.8) 89.2,75.38 D24#36.2 ; v1(89.2,65.8) 89.2,65.38 D29#36.2
  Bottom w0.15: 89.2,77.39 88.17,78.42 J1#11.1 ; 89.2,77.39 v1(89.2,75.8) v1(89.2,73.8) v1(89.2,71.8) v1(89.2,69.8) v1(89.2,67.8) v1(89.2,65.8) ; 89.2,77.39 v1(89.2,77.8)
Board_15-C5: length 26.2
  Top w0.15: v1(90.4,71.8) 90.4,71.33 D33#34.2 ; v1(90.4,69.8) 90.4,69.33 D34#36.2 ; D36.2 90.4,65.33 v1(90.4,65.8) ; v1(90.4,67.8) 90.4,67.33 D35#20.2 ; D31#14.2 90.4,75.33 v1(90.4,75.8) ; D32#17.2 90.4,73.33 v1(90.4,73.8) ; D30.2 90.4,77.33 v1(90.4,77.8) ; v1(87.95,79.25) 85.95,79.25 83.65,76.95 J1#11.2
  Bottom w0.15: v1(90.4,65.8) v1(90.4,67.8) v1(90.4,69.8) v1(90.4,71.8) v1(90.4,73.8) v1(90.4,75.8) v1(90.4,77.8) 88.95,79.25 v1(87.95,79.25)
Board_15-DP: length 6.4
  Top w0.15: J2#7.7 90.89,63.56 85.64,63.56 D8#21.2
Board_15-R1: length 7.5
  Top w0.15: 89.13,76.33 D23#32.1 D16#7.1 D9#13.1 D1#29.1 ; 89.13,76.33 D30.1 ; 89.13,76.33 89.26,76.46 90.7,76.46 J2#7.2
Board_15-R2: length 6.5
  Top w0.15: D31#14.1 D24#36.1 D17#10.1 D10#21.1 D2#21.1 84.64,74.33 J1#11.3
Board_15-R3: length 7.6
  Top w0.15: 89.13,72.33 D25#20.1 D18#29.1 D11#3.1 D3#16.1 ; 89.13,72.33 D32#17.1 ; 89.13,72.33 89.26,72.46 90.48,72.46 J2#7.3
Board_15-R4: length 7.4
  Top w0.15: 89.13,70.33 89.26,70.46 91.02,70.46 J2#7.4 ; 89.13,70.33 D26#2.1 D19#38.1 D12#3.1 D4#14.1 ; 89.13,70.33 D33#34.1
Board_15-R5: length 7.9
  Top w0.15: D34#36.1 D27#30.1 D20#3.1 D13#23.1 D5#25.1 83.65,69.44 J1#11.4
Board_15-R6: length 7.4
  Top w0.15: D35#20.1 D28#8.1 D21.1 D14#11.1 D6#32.1 83.65,67.44 J1#11.5
Board_15-R7: length 9
  Top w0.15: D8#21.1 84.54,62.55 84.54,64.11 D7#10.1 ; D36.1 D29#36.1 D22#6.1 D15#40.1 D7#10.1 ; D7#10.1 83.65,65.44 J1#11.6
Board_16-C1: length 35.5
  Top w0.15: v1(2.8,49.3) 2.8,48.83 D5#10.2 ; v1(2.8,55.35) 2.8,54.83 D2#22.2 ; v1(2.8,45.3) 2.8,44.83 D7#23.2 ; v1(7.25,58.83) 6.6,58.18 3.88,58.18 v1(3,57.3) 3,57.03 D1#6.2 ; D6#34.2 2.8,46.83 v1(2.8,47.3) ; v1(2.8,53.29) 2.8,52.83 D3#9.2 ; v1(2.8,51.3) 2.8,50.83 D4#11.2
  Bottom w0.15: v1(3,57.3) 2.8,57.1 v1(2.8,55.35) v1(2.8,53.29) v1(2.8,51.3) v1(2.8,49.3) v1(2.8,47.3) v1(2.8,45.3) ; J2.5 9.6,48.59 9.6,58.4 9.17,58.83 v1(7.25,58.83)
Board_16-C2: length 21.6
  Top w0.15: D10#17.2 4,54.78 v1(4,55.3) ; D12#18.2 4,50.78 v1(4,51.3) ; D15#2.2 4,44.78 v1(4,45.3) ; v1(4,47.3) 4,46.78 D14#30.2 ; v1(4,53.3) 4,52.78 D11#37.2 ; J2.1 8.72,57.87 4.77,57.87 v1(4.2,57.3) 4.2,56.98 D9#29.2 ; D13#30.2 4,48.78 v1(4,49.3)
  Bottom w0.15: v1(4.2,57.3) 4,57.1 v1(4,55.3) v1(4,53.3) v1(4,51.3) v1(4,49.3) v1(4,47.3) v1(4,45.3)
Board_16-C3: length 22.6
  Top w0.15: v1(5.4,55.3) 5.4,54.93 D17#36.2 ; D22#2.2 5.4,44.93 v1(5.4,45.3) ; v1(5.4,53.3) 5.4,52.93 D18#6.2 ; v1(5.4,57.3) 5.4,56.93 D16#8.2 ; D21#19.2 5.4,46.93 v1(5.4,47.3) ; v1(5.4,49.3) 5.4,48.93 D20#6.2 ; v1(5.4,51.3) 5.4,50.93 D19#23.2
  Bottom w0.15: v1(5.4,57.3) v1(5.4,55.3) v1(5.4,53.3) v1(5.4,51.3) v1(5.4,49.3) v1(5.4,47.3) v1(5.4,45.3) 5.4,45.23 2.85,42.69 J1#28.7
Board_16-C4: length 23
  Top w0.15: v1(6.6,45.3) 6.6,44.88 D29#22.2 ; D26#24.2 6.6,50.88 v1(6.6,51.3) ; D28#16.2 6.6,46.88 v1(6.6,47.3) ; D25#5.2 6.6,52.88 v1(6.6,53.3) ; D23#15.2 6.6,56.88 v1(6.6,57.3) ; D27#16.2 6.6,48.88 v1(6.6,49.3) ; D24#7.2 6.6,54.88 v1(6.6,55.3)
  Bottom w0.15: v1(6.6,57.3) 6.6,56.89 ; 6.6,56.89 5.57,57.92 J1#28.1 ; 6.6,56.89 v1(6.6,55.3) v1(6.6,53.3) v1(6.6,51.3) v1(6.6,49.3) v1(6.6,47.3) v1(6.6,45.3)
Board_16-C5: length 26.2
  Top w0.15: D33#33.2 7.8,50.83 v1(7.8,51.3) ; D34#6.2 7.8,48.83 v1(7.8,49.3) ; D30#37.2 7.8,56.83 v1(7.8,57.3) ; 1.05,55.39 1.05,56.45 3.34,58.74 v1(5.35,58.74) ; D31#25.2 7.8,54.83 v1(7.8,55.3) ; D36#39.2 7.8,44.83 v1(7.8,45.3) ; v1(7.8,53.3) 7.8,52.83 D32#40.2 ; v1(7.8,47.3) 7.8,46.83 D35#9.2
  Bottom w0.15: v1(5.35,58.74) 6.36,58.74 v1(7.8,57.3) v1(7.8,55.3) v1(7.8,53.3) v1(7.8,51.3) v1(7.8,49.3) v1(7.8,47.3) v1(7.8,45.3)
